# Altium PCB Core.PcbDoc (part 5 of 5)
Units mil, origin at the board's own origin, x right, y up, seen from the top; angles counter-clockwise.
Board outline 1181.1 x 1574.8 mil, 6 copper layers (Top Layer, GND2, SIG3, PWR4, GND5, Bottom Layer), stack 29.356 mil thick; 139 components, 179 nets, 1165 pads, 477 vias.
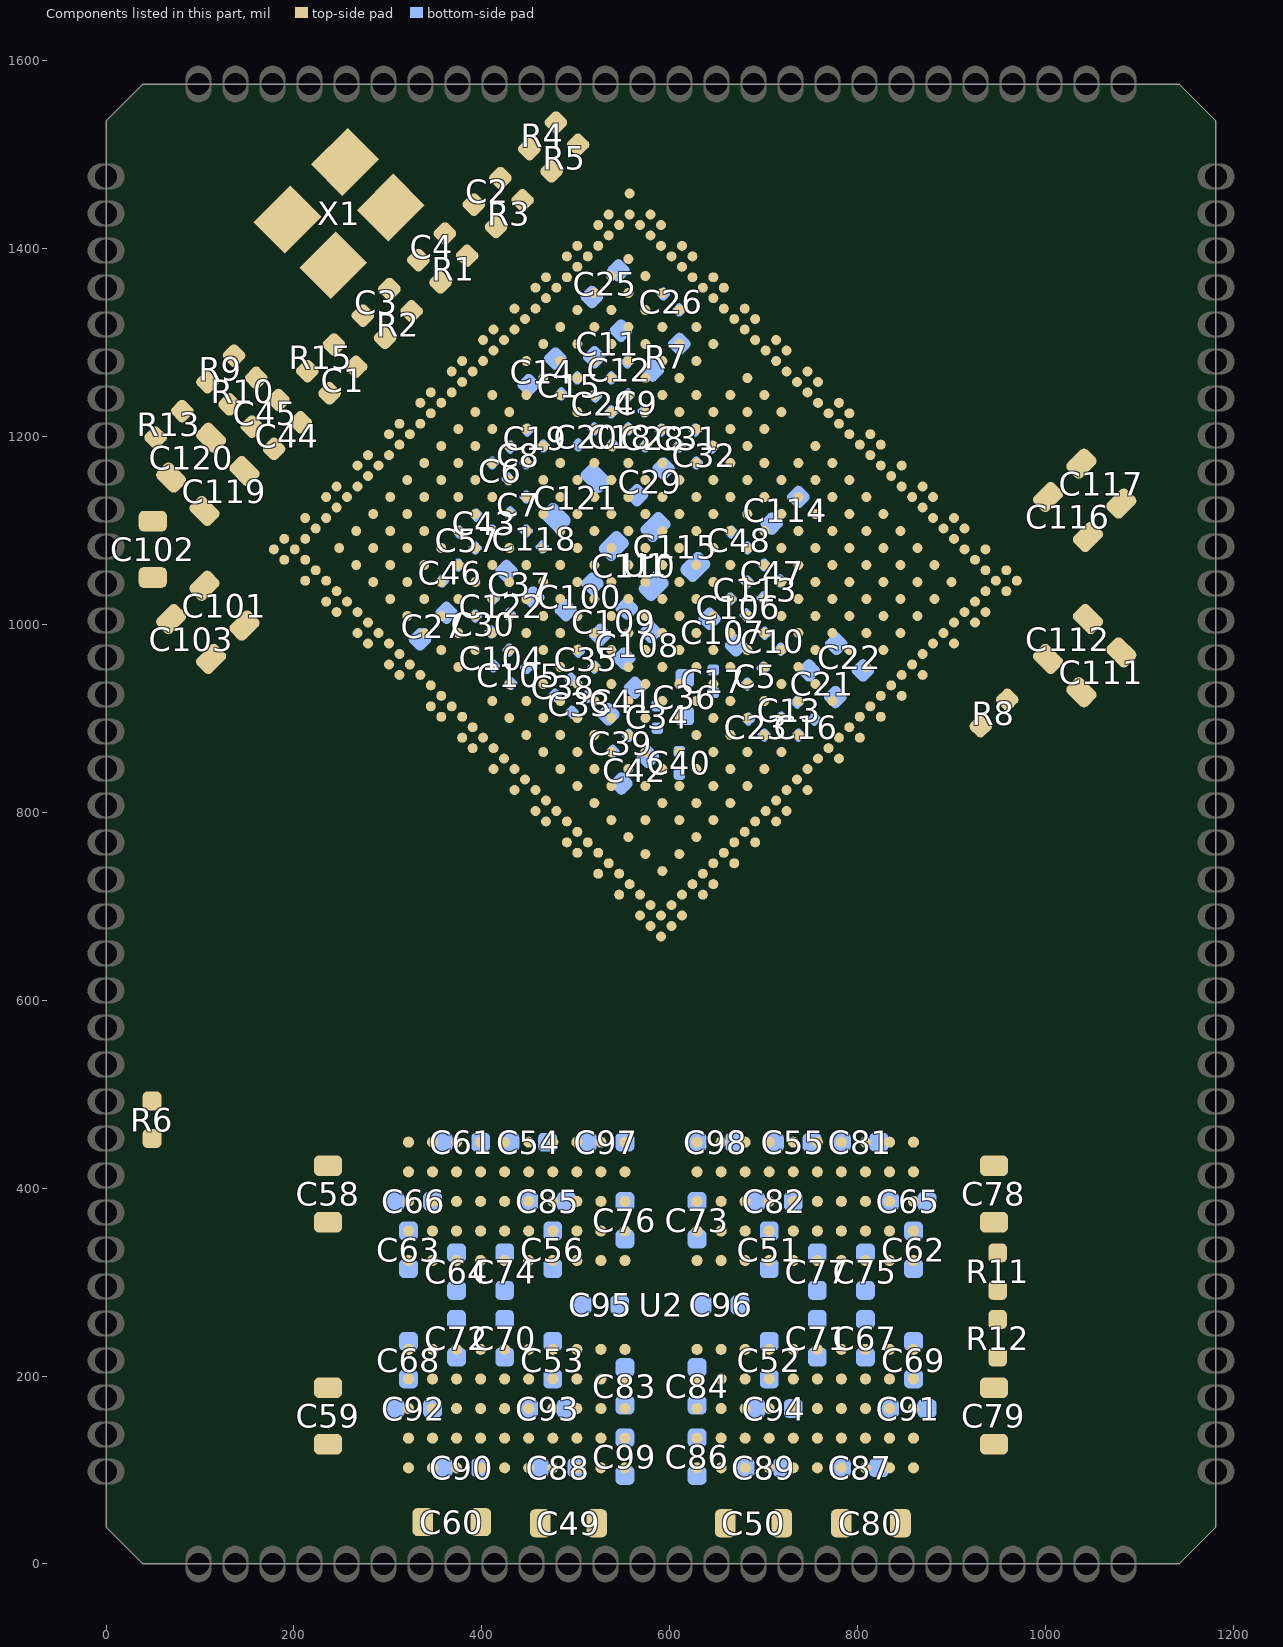
[diagram p9: the components of this part, seen from the top]

## Via types
v1: diameter 15.75, hole 7.87, Top Layer to Bottom Layer, tented both sides, 475 vias
v2: diameter 15.75, hole 11.81, Top Layer to Bottom Layer, tented both sides, 2 vias

## Nets (pads, with @x,y where several pads share a name; then routed paths per layer and width w, separated by ;. In a path a pad name is that pad's centre, name@x,y a point inside that pad or via, vN(x,y) a via of type N, cw(c..) or ccw(c..) an arc to the next point about the centre after c; other vN are vias at no path point) (continued)
pads on no net: U1.1A4 U1.1A13 U1.1A15 U1.1A17 U1.1A18 U1.1A19 U1.1B17 U1.1B18 U1.1C2 U1.1C15 U1.1D2 U1.1H3 U1.1H19 U1.1H20 U1.1J19 U1.1J20 U1.1K19 U1.1K20 U1.1L1 U1.1L2 U1.1L4 U1.1L5 U1.1M19 U1.1N1 U1.1N2 U1.1N19 U1.1N20 U1.1P2 U1.1P3 U1.1P4 U1.1P18 U1.1P20 U1.1R1 U1.1R2 U1.1R16 U1.1R17 U1.1R18 U1.1T1 U1.1T2 U1.1T4 U1.1T6 U1.1T18 U1.1T19 U1.1T20 U1.1U1 U1.1U3 U1.1U4 U1.1U5 U1.1U6 U1.1U8 U1.1U9 U1.1U11 U1.1U19 U1.1U20 U1.1V3 U1.1V6 U1.1V8 U1.1V9 U1.1V11 U1.1V15 U1.1V16 U1.1V20 U1.A22 U1.AA37 U1.AA38 U1.AB1 U1.AB2 U1.AB37 U1.AB38 U1.AC2 U1.AD1 U1.AE2 U1.AF1 U1.AF2 U1.AG2 U1.AG37 U1.AH2 U1.AJ1 U1.AJ2 U1.AJ38 U1.AK2 U1.AK37 U1.AL1 U1.AL2 U1.AM1 U1.AM2 U1.AM37 U1.AM38 U1.AN2 U1.AN37 U1.AN38 U1.AP1 U1.AP4 U1.AP5 U1.AP6 U1.AP7 U1.AP9 U1.AP10 U1.AP14 U1.AP15 U1.AP17 U1.AP18 U1.AP20 U1.AP21 U1.AP23 U1.AP24 U1.AP26 U1.AP27 U1.AP29 U1.AP30 U1.AR2 U1.AR4 U1.AR6 U1.AR9 U1.AR10 U1.AR14 U1.AR15 U1.AR17 U1.AR18 U1.AR20 U1.AR21 U1.AR23 U1.AR24 U1.AR26 U1.AR27 U1.AR29 U1.AR30 U1.B22 U1.B38 U1.J37 U1.J38 U1.K37 U1.K38 U1.M37 U1.M38 U1.N37 U1.N38 U1.T37 U1.V37 U1.V38 U1.W37 U1.W38 U2.A1 U2.A2 U2.A11 U2.A12 U2.AA1 U2.AA12 U2.AB1 U2.AB2 U2.AB11 U2.AB12 U2.B1 U2.B12 U2.G11 U2.K5 U2.K8 U2.N5 U2.N8

## Polygon pours and split planes (outlines as drawn)
GND on PWR4 "GND_L04_P033" (solid, remove dead copper, pour order 33): 39.37,0 0,39.37 0,1535.43 39.37,1574.8 1141.73,1574.8 1181.1,1535.43 1181.1,39.37 1141.73,0
VDD_GPU on PWR4 "VDD_GPU_L04_P032" (solid, remove dead copper, pour order 32): 596.17,1074.55 637.58,1033.14 796.78,1033.14 853.88,1090.24 898.57,1090.24 930.62,1058.18 1067.82,1058.18 1102.45,1023.55 1181.1,1023.55 1181.1,1186.53 1070.71,1296.92 774.34,1296.92 596.17,1118.74
VCC0V6_DDR on PWR4 "VCC0V6_DDR_L04_P002" (solid, remove dead copper, pour order 2): 414.63,0 952.07,0 1089.87,137.8 1089.87,753.76 923.2,920.43 638.66,920.43 633.2,925.89 567.98,925.89 536.69,957.18 291.29,957.18 91.67,757.55 91.67,112.84 204.5,0
VDD_NPU on PWR4 "VDD_NPU_L04_P007" (solid, remove dead copper, pour order 7): 24.74,1086.01 484.36,1086.01 519.56,1121.22 519.56,1171.15 351.67,1339.04 99.93,1339.04 0,1239.11 0,1110.75
VDD_LOGIC on PWR4 "VDD_LOGIC_L04_P009" (solid, remove dead copper, pour order 9): 568.64,1069.33 591.13,1069.33 630.14,1030.32 1053.11,1030.32 1141.67,941.76 1181.1,941.76 1181.1,787.88 1076.01,787.88 929.67,934.22 591.63,934.22 537.66,988.19 537.66,1042.59 564.4,1069.33
VDD_CPU on PWR4 "VDD_CPU_L04_P004" (solid, remove dead copper, pour order 4): 488.05,966.65 518.53,997.13 518.53,1042.75 492.12,1069.15 50.66,1069.15 0,1018.49 0,752.99 64.56,752.99 278.23,966.65
GND on GND5 "GND_L05_P030" (solid, remove dead copper, pour order 30): 39.37,0 0,39.37 0,1535.43 39.37,1574.8 1141.73,1574.8 1181.1,1535.43 1181.1,39.37 1141.73,0
VDD_CPU on GND5 "VDD_CPU_L05_P010" (solid, remove dead copper, pour order 10): 0,748.82 224.85,748.82 384.74,908.71 384.74,945.6 395.87,956.74 475.2,956.74 511.93,993.47 511.93,1037.42 480.69,1068.65 27.27,1068.65 0,1041.38
GND on SIG3 "GND_L03_P028" (solid, remove dead copper, pour order 28): 39.37,0 0,39.37 0,1535.43 39.37,1574.8 1141.73,1574.8 1181.1,1535.43 1181.1,39.37 1141.73,0
VCC_3V3 on SIG3 "VCC_3V3_L03_P015" (solid, remove dead copper, pour order 15): 1181.1,1150.67 1145.64,1115.2 760.51,1115.2 707.46,1062.15 587.69,1062.15 580.04,1069.8 580.04,1241.83 659.84,1321.64 1004.69,1321.64 1111.44,1214.89 1181.1,1214.89
VDD_LOGIC on SIG3 "VDD_LOGIC_L03_P011" (solid, remove dead copper, pour order 11): 628.14,960.92 591.49,960.92 544.51,1007.89 544.51,1037.66 563.57,1056.72 716.24,1056.72 748.5,1088.98 1052.03,1088.98 1181.1,959.91 1181.1,795.23 1172.65,786.78 1082.27,786.78 947.25,921.79 771.04,921.79 686.58,1006.26 684.89,1004.56 670,1004.56
GND on GND2 "GND_L02_P027" (solid, remove dead copper, pour order 27): 39.37,0 0,39.37 0,1535.43 39.37,1574.8 1141.73,1574.8 1181.1,1535.43 1181.1,39.37 1141.73,0
GND on Bottom Layer "GND_L06_P034" (solid, remove dead copper, pour order 34): 39.37,0 0,39.37 0,1535.43 39.37,1574.8 1141.73,1574.8 1181.1,1535.43 1181.1,39.37 1141.73,0
GND on Top Layer "GND_L01_P036" (solid, remove dead copper, pour order 36): 39.37,0 0,39.37 0,1535.43 39.37,1574.8 1141.73,1574.8 1181.1,1535.43 1181.1,39.37 1141.73,0

## Keep-outs
SIG3:
  region: 112.6,947.48 163.96,998.84 147.51,1015.3 96.14,963.93
  rectangle: 857.98,1094.07 884.23,1108.16
GND5:
  region: 926.18,1474.55 909.12,1491.61 898.58,1481.06 915.63,1464
  rectangle: 636.95,1539.82 654.46,1555.09
  region: 251.85,695.07 261.29,704.51 239.23,726.57 229.79,717.13
Bottom Layer:
  region: 295.47,1282.94 277.22,1301.19 266.08,1290.05 284.33,1271.8
  region: 975.21,651.69 983.72,643.18 997.43,656.89 988.92,665.4
  rectangle: 579.34,638.88 602.18,661.03

## Silkscreen, mask and mechanical layers (free items; w line width, h text height)
Top Overlay:
  drawing of 2 lines, arcs and shapes, not listed
  text "Adorkable Core / V1.2 by baoge" at 970.69,732.49 h50 r270
Bottom Overlay:
  lines w10: 215.92,1083.87 549.99,1417.94 925.81,1042.11 591.75,708.05 215.92,1083.87 ; 295.28,78.74 885.83,78.74 885.83,472.44 295.28,472.44 295.28,78.74
Mechanical 1:
  the board outline again, w10